# Altium PCB Face_PWR1V0.PcbDoc
Units mm, origin at the board's own origin, x right, y up, seen from the top; angles counter-clockwise.
Board outline 79 x 61 mm, 2 copper layers (Top Layer, Bottom Layer), stack 1.271 mm thick; 47 components, 23 nets, 137 pads, 87 vias.
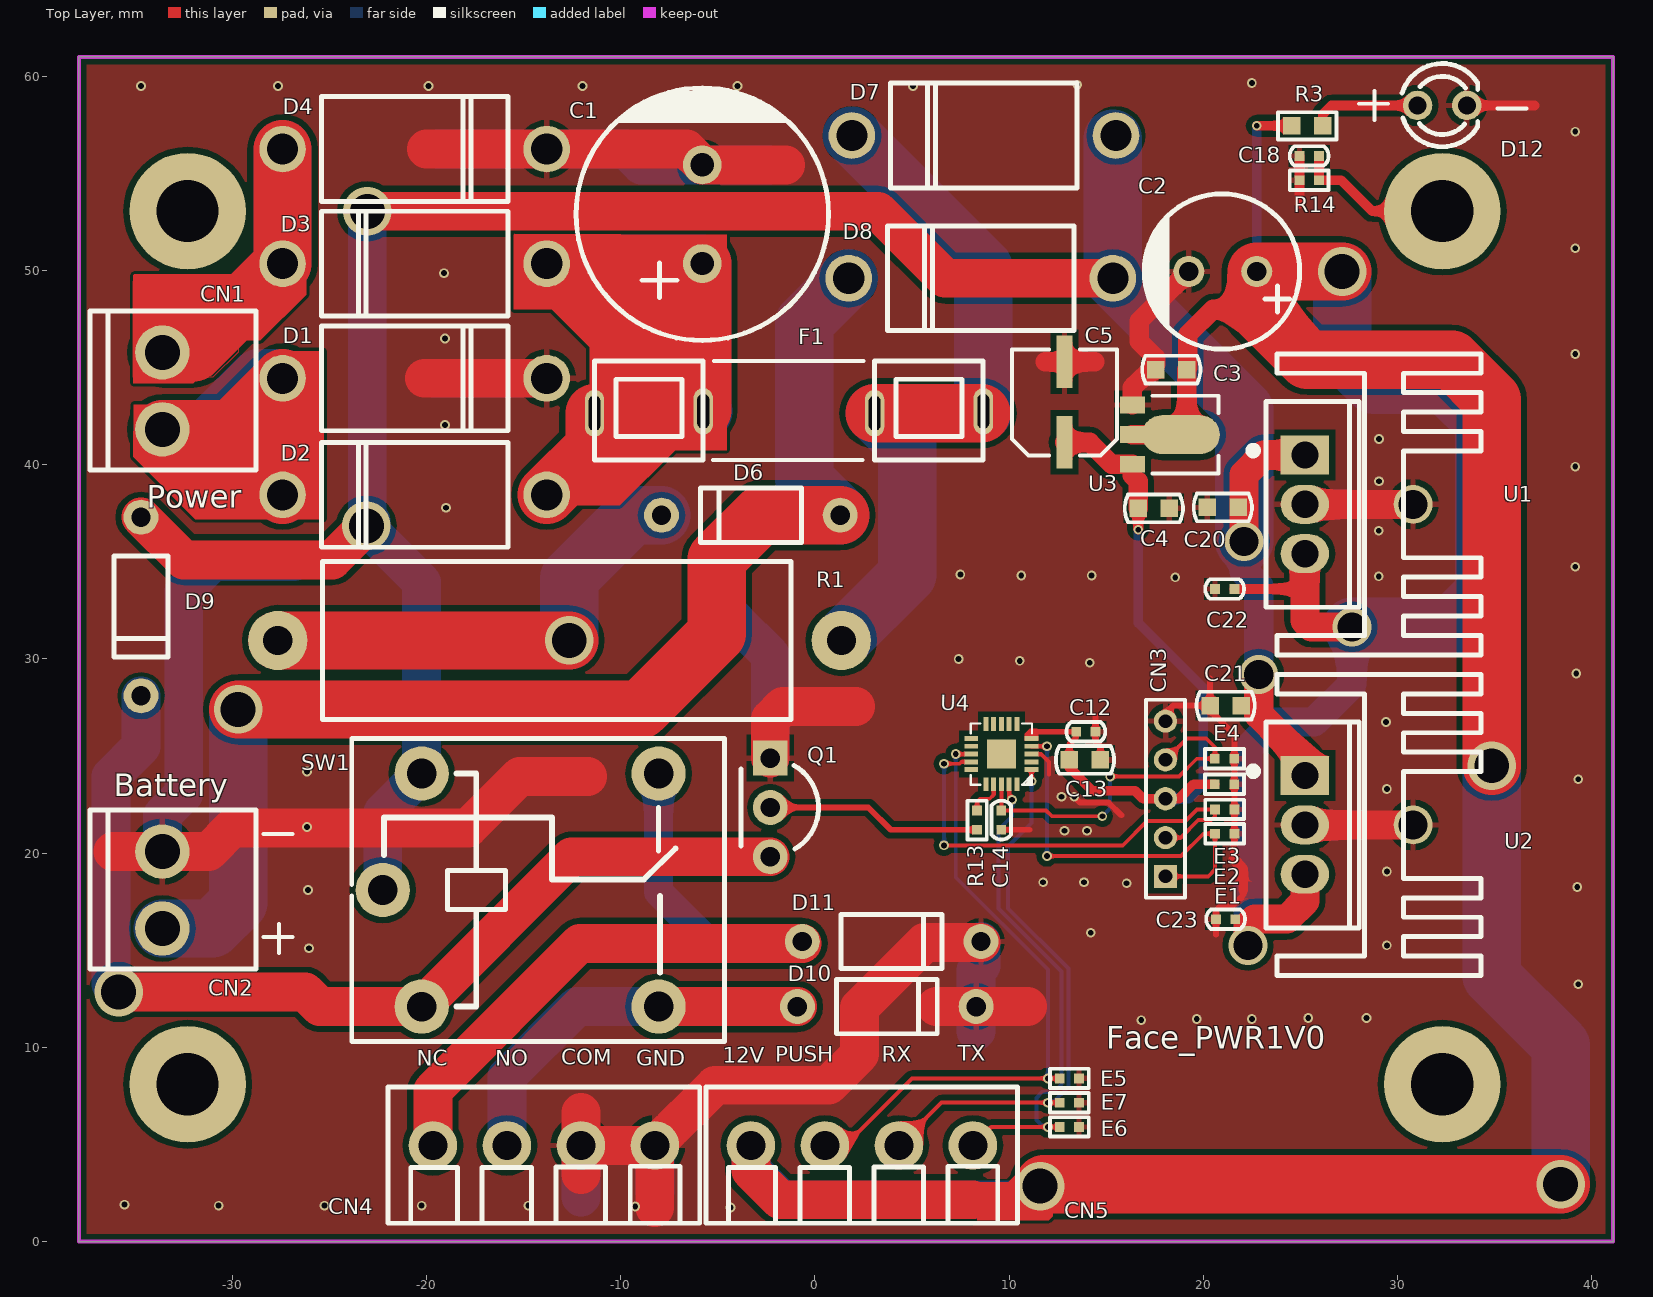
[diagram p0: Top Layer view]
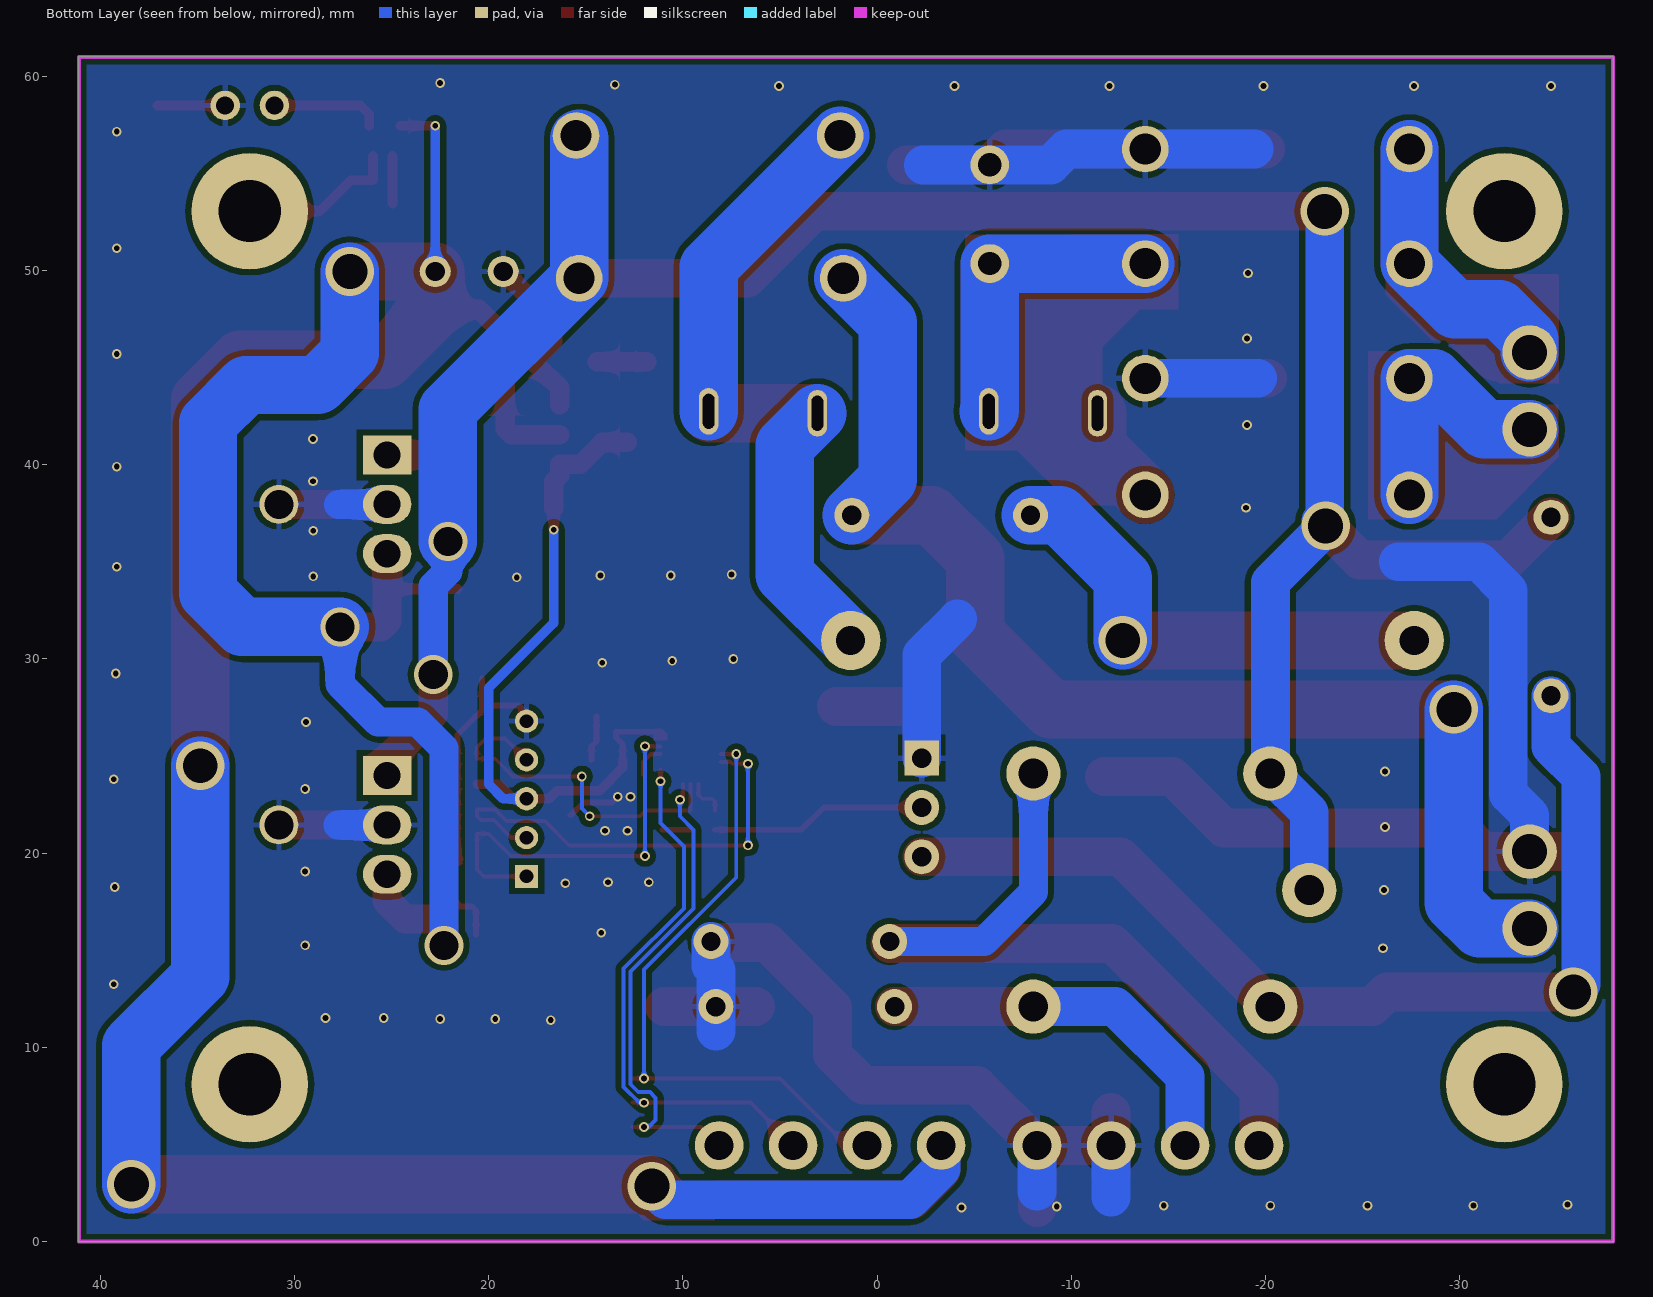
[diagram p1: Bottom Layer view, seen from below]

## Layer stack, top to bottom
Top Solder: solder mask 0.0102, Solder Resist, Dk 3.5
Top Layer: signal copper 0.0356
Dielectric 1: dielectric 1.2, FR-4, Dk 4.8
Bottom Layer: signal copper 0.0356
Bottom Solder: solder mask 0.0102, Solder Resist, Dk 3.5

## Board outline
-37.9,0 -37.9,61 41.1,61 41.1,0

## Design rules (kind name [scope] priority, off if disabled: settings)
Clearance [All] p1: gap=0.15 ignorepadtopadclearanceinfootprint=FALSE except(0.3: Arc-Poly Track-Poly SMDPad-Poly THPad-Poly Via-Poly Fill-Poly Poly-Poly)
HoleSize [All] p1: absolutevalues=TRUE maxlimit=6 minlimit=0.025 maxpercent=80.000 minpercent=20.000
HoleToHoleClearance [All] p1: gap=0.1 allowstackedmicrovias=TRUE
MinimumSolderMaskSliver [All] p1: minsoldermaskwidth=0
PolygonConnect [All] p1: thpad.connectstyle=Relief thpad.reliefconductorwidth=0.3 thpad.reliefentries=4 thpad.polygonreliefangle="90 Angle" thpad.airgapwidth=0.3 smdpad.connectstyle=Relief smdpad.reliefconductorwidth=0.3 smdpad.reliefentries=4 smdpad.polygonreliefangle="90 Angle" smdpad.airgapwidth=0.3 via.connectstyle=Direct via.reliefconductorwidth=0.254 via.reliefentries=4 via.polygonreliefangle="90 Angle" via.airgapwidth=0.254
RoomDefinition Face_PWR1V0 [InComponentClass('Face_PWR1V0')] p1: confinementstyle=ConfineIn formatcopy=TRUE lockcomponents=FALSE outline -43.2,-3.4 44.15,-3.4 44.15,65.3 -43.2,65.3
RoutingVias [All] p1: holewidth=0.3 width=0.5 viastyle="Through Hole" minholewidth=0.3 minwidth=0.5 maxholewidth=1 maxwidth=2
SilkToSilkClearance [All] p1: silktosilkclearance=0
SilkToSolderMaskClearance [IsPad] p1: minsilkscreentomaskgap=0 clearancetoexposedcopper=TRUE
SolderMaskExpansion [All] p1: expansion=0.05 istentingtop=FALSE
Width [All] p1: maxlimit=50 minlimit=0.2 preferedwidth=0.2
25 further rules are at their usual default settings.

## Components (designator, comment, footprint, x,y, rotation, side; value= is the part's Value field where it differs from the comment)
C1 "2200uF/25V" "CAP 13X21MM" -5.8,52.9 r90 top
C2 "470uF/25V" CAP-TH_BD8.0-P3.50-D1.0-FD 21,49.95 r180 top
C3 "100nF/50V" C0603 18.35,44.9 r180 top
C4 "4.7uF/16V" C0603 17.45,37.75 r0 top
C5 "100uF/10V" C_ALU_5.3MM 12.85,43.225 r270 top
C12 "100nF/16V" C0402 13.95,26.25 r0 top
C13 "4.7uF/16V" C0603 13.9,24.8 r180 top
C14 "100nF/16V" C0402 9.6,21.7 r270 top
C18 "100nF/16V" C0402 25.45,55.9 r0 top
C20 "100nF/50V" C0603 21,37.8 r180 top
C21 "100nF/50V" C0603 21.15,27.6 r180 top
C22 "100nF/16V" C0402 21.1,33.6 r0 top
C23 "100nF/16V" C0402 21.15,16.6 r0 top
CN1 "VH-2A" VH3.96-2A -33.6,43.8 r90 top locked
CN2 "VH-2A" VH3.96-2A -33.6,18.1 r90 top locked
CN3 "NC/NUVOTON Writer" HD5_2.0 18.05,18.8 r90 top
CN4 "DB125-3.81-4P-GN" DB125-3.81-4P-GN -13.955,4.95 r0 top locked
CN5 "DB125-3.81-4P-GN" DB125-3.81-4P-GN 2.415,4.95 r0 top locked
D1 "1N5408" DO-201AD -20.61,44.45 r180 top
D2 "1N5408" DO-201AD -20.61,38.45 r0 top
D3 "1N5408" DO-201AD -20.61,50.35 r0 top
D4 "1N5408" DO-201AD -20.61,56.25 r180 top
D6 "1N4007" DO-41 -3.3,37.4 r0 top
D7 "HER505" DO-201AD 8.7,56.95 r0 top
D8 "HER505" DO-201AD 8.54,49.6 r0 top
D9 "1N4007" DO-41 -34.7,32.7 r90 top
D10 "1N4007" DO-41 3.7,12.1 r180 top
D11 "1N4007" DO-41 3.95,15.45 r180 top
D12 "Green-LED" LED-TH_BD3.0-P2.54-FD 32.3,58.5 r0 top
E1 "SFI0402-050E330NP-LF" R0402 21.1,21 r180 top
E2 "SFI0402-050E330NP-LF" R0402 21.1,22.25 r180 top
E3 "SFI0402-050E330NP-LF" R0402 21.09,23.55 r180 top
E4 "SFI0402-050E330NP-LF" R0402 21.09,24.86 r180 top
E5 "SFI0402-050E330NP-LF" R0402 13.1,8.4 r0 top
E6 "SFI0402-050E330NP-LF" R0402 13.1,5.9 r180 top
E7 "SFI0402-050E330NP-LF" R0402 13.1,7.15 r0 top
F1 "250V/5A" "5X20 FUSE SOCKET" -11.349,42.65 r0 top
Q1 "2N5551" TO-92-3_L4.8-W3.7-P2.54L -2.3,22.35 r270 top
R1 "47R" AXIAL-1.3 -13.15,30.95 r0 top
R3 "1K" R0603 25.35,57.45 r180 top
R13 "1K" R0402 8.35,21.7 r270 top
R14 "10K" R0402 25.45,54.65 r180 top value=1K
SW1 "Relay" RELAY-TH_SRD-XXVDC-XL-C -15.15,18.1 r0 top
U1 "L7812CV" TO-220-3 28.015,37.96 r270 top locked
U2 "L7812CV" TO-220-3 28.015,21.45 r270 top locked
U3 "ME6210A33PG" SOT-89 17.6,41.55 r270 top
U4 "N76E003AQ20(QFN20)" QFN20_3*3mm 9.6,25.1 r180 top

## Footprints (in the part's own frame and the unit in brackets; to place one, negate y for a bottom-side part, rotate by r counter-clockwise, add the part's x,y. Pads: shape width x height; smd on the part's side, far side on the other; paste and mask are expansions set on the pad)
"5X20 FUSE SOCKET" [mm]
  oval 1x2.399 hole 0.6 slot 1.8 at 90 deg copper offset -0.001,0.001: 1(0,0) 2(14.423,0)
  oval 1x2.399 hole 0.6 slot 1.799 at 90 deg: 1(5.599,0.1) 2(20.022,0.1)
  silkscreen extent 0,-2.4 20,2.7, body extent -0.59,-3.06 20.69,3.13, height 9.59
AXIAL-1.3 [mil]
  round 120 hole 59.06: 1(-571.26,0) 2(571.26,0)
  silkscreen extent -481,-160 469,160, body extent -569,-118 563,118, height 355
C0402 [mm]
  rect 0.5x0.5 smd paste+0 mask+0.102: 1(-0.5,0) 2(0.5,0)
  silkscreen extent -1,-0.5 1,0.5, body extent -0.5,-0.3 0.5,0.3, height 0.2
C0603 [mm]
  rect 0.9x0.9 smd mask+0.05: 1(0.8,0) 2(-0.8,0)
  silkscreen extent -1.5,-0.71 1.5,0.71, body extent -0.8,-0.4 0.8,0.4, height 0.3
C_ALU_5.3MM [mm]
  rect 2.7x0.8 smd mask+0.05: 1(2.075,0) 2(-2.075,0)
  silkscreen extent -2.7,-2.7 2.75,2.7, body extent -2.92,-2.65 2.98,2.65, height 5.41
"CAP 13X21MM" [mm]
  round 2 hole 1.2: 1(-2.54,0) 2(2.54,0)
  silkscreen extent -6.5,-6.5 6.5,6.5, body extent -6.3,-6.2 6.2,6.3, height 20
CAP-TH_BD8.0-P3.50-D1.0-FD [mm]
  round 1.6 hole 1: 1(-1.75,0) 2(1.75,0)
  silkscreen extent -3.96,-4 4.04,4, body extent -4.05,-4.1 4.15,4.1, height 14.4
DB125-3.81-4P-GN [mm]
  round 2.5 hole 1.5: 1(-5.715,0) 2(-1.905,0) 3(1.905,0) 4(5.715,0)
  silkscreen extent -8.03,-4.01 8.03,3, body extent -7.62,-5.3 7.52,4.3, height 10.2
DO-41 [mm]
  round 1.8 hole 1: 1(-4.6,0) 2(4.6,0)
  silkscreen extent -2.6,-1.4 2.6,1.4, body extent -5.51,-1.35 5.51,1.37, height 3.72
DO-201AD [mm]
  round 2.4 hole 1.6: 1(-6.8,0) 2(6.8,0)
  silkscreen extent -4.8,-2.7 4.8,2.7, body extent -6.95,-2.52 6.95,2.5, height 6.51
HD5_2.0 [mm]
  rect 1.2x1.2 hole 0.7: 1(0,0)
  round 1.2 hole 0.7: 2(2,0) 3(4,0) 4(6,0) 5(8,0)
  silkscreen extent -1.1,-1 9.1,1
LED-TH_BD3.0-P2.54-FD [mil]
  round 60 hole 36: 1(-50,0) 2(50,0)
  silkscreen extent -81,-84 72,85, body extent -112,-112 108,112, height 354
QFN20_3*3mm [mm]
  rect 0.7x0.25 smd mask+0.05: 1(-1.55,0.8) 2(-1.55,0.4) 3(-1.55,0) 4(-1.55,-0.4) 5(-1.55,-0.8) 11(1.55,-0.8) 12(1.55,-0.4) 13(1.55,0) 14(1.55,0.4) 15(1.55,0.8)
  rect 0.25x0.7 smd mask+0.05: 6(-0.8,-1.55) 7(-0.4,-1.55) 8(0,-1.55) 9(0.4,-1.55) 10(0.8,-1.55) 16(0.8,1.55) 17(0.4,1.55) 18(0,1.55) 19(-0.4,1.55) 20(-0.8,1.55)
  rect 1.5x1.5 smd mask+0.05: 21(0,0)
  round 0.5 on Top Overlay: ""(-2.325,0.825)
  silkscreen extent -1.58,-1.58 1.58,1.58, body extent -1.51,-1.51 1.51,1.51, height 0.75
R0402 [mm]
  rect 0.5x0.5 smd: 1(0.5,0) 2(-0.5,0)
  silkscreen extent -1,-0.5 1,0.5, body extent -0.5,-0.25 0.5,0.25, height 0.35
R0603 [mm]
  rect 0.9x0.9 smd: 1(-0.8,0) 2(0.8,0)
  silkscreen extent -1.5,-0.7 1.5,0.7, body extent -0.85,-0.4 0.85,0.4, height 0.56
RELAY-TH_SRD-XXVDC-XL-C [mil]
  round 110 hole 60: 1(-200.79,-236.22) 2(279.52,-236.2) 3(279.53,236.2) 4(-200.79,236.22) 5(-279.53,0)
  silkscreen extent -342,-307 413,307, body extent -339,-305 409,305, height 602
SOT-89 [mm]
  rect 0.864x1.27 smd: 1(-1.524,-1.25) 2(0,-1.25) 3(1.524,-1.25)
  oval 2x4 smd: 2(0,1.25)
  silkscreen extent -2,-0.21 2,3.19, body extent -2.28,-1.53 2.32,2.72, height 1.79
TO-92-3_L4.8-W3.7-P2.54L [mm]
  rect 1.8x1.8 hole 1: 1(-2.54,0)
  round 1.8 hole 1: 2(0,0) 3(2.54,0)
  silkscreen extent -2.17,-1.5 2.14,2.48, body extent -2.43,-1.5 2.33,2.13, height 17.82
TO-220-3 [mm]
  rect 2.002x2.499 hole 1.4: 1(-2.54,-2.785)
  oval 2x2.5 hole 1.4: 2(0,-2.785) 3(2.54,-2.785)
  round 2 hole 1.5: 2(0,2.785)
  silkscreen extent -7.75,-5.65 7.75,6.28, body extent -7.7,-4.6 7.6,10.38, height 25
VH3.96-2A [mm]
  round 2.8 hole 1.8: 1(-1.98,0) 2(1.98,0)
  silkscreen extent -4.07,-4.83 4.12,3.73, body extent -3.91,-4.8 3.95,3.7, height 10.9

## Part data
C1: library part CAP_Polaric, "2200uF 25V 13*20"
C2: library part CAP_Polaric, "470uF/25V(RC025M471LO8*14TH-2A1E)"
C3 C20 C21: library part Cap, "0.1uF/50V 10%  0603 X5R ROHS", LatestRevisionDate=17-Jul-2002, LatestRevisionNote="Re-released for DXP Platform.", PackageDescription="Radial Cap, Thru-Hole; 2 Leads; 0.3 in Pin Spacing", PackageReference=RAD-0.3, Published=8-Jun-2000, Publisher="Altium Limited"
C4: library part Cap, "4.7uF/16V 10% 0603 X7R ROHS", LatestRevisionDate=17-Jul-2002, LatestRevisionNote="Re-released for DXP Platform.", PackageDescription="Radial Cap, Thru-Hole; 2 Leads; 0.3 in Pin Spacing", PackageReference=RAD-0.3, Published=8-Jun-2000, Publisher="Altium Limited"
C5: library part CAP_Polaric, "CS1A101M-CRD54, 100uF/10V"
C12 C14: library part CAP, "100nF/16V 10% 0402 X7R ROHS"
C13: library part CAP, "4.7uF/16V 10% 0603 X7R ROHS"
C18: library part CAP_0603A, "100nF/16V 10% 0402 X7R ROHS"
C22 C23: library part Cap, "100nF ±10% 16V X7R 0402 ROHS", LatestRevisionDate=17-Jul-2002, LatestRevisionNote="Re-released for DXP Platform.", PackageDescription="Radial Cap, Thru-Hole; 2 Leads; 0.3 in Pin Spacing", PackageReference=RAD-0.3, Published=8-Jun-2000, Publisher="Altium Limited"
CN1 CN2 CN4 CN5 U1 U2: library part Component_1
CN3: library part "Header 5", "SH1.25_5P_SMD_TOP"
D1 D2 D3 D4: library part "M2 (DO-214AC)", "1N5408(DO-201AD)"
D6 D9 D10 D11: library part "M2 (DO-214AC)", "1N4007(DO-41)"
D7 D8: library part "M2 (DO-214AC)", "HER505(DO-201AD)"
D12: library part LED1, "TJ-L3FYTGCWMCGLFLC6B-A5", LatestRevisionDate=08-Jul-2005, LatestRevisionNote="Mech Layer 1 removed.", PackageDescription="LED; 2 Leads", PackageReference=LED-1, Published=8-Jun-2000, Publisher="Altium Limited"
E1 E2 E3 E4 E5 E6 E7: library part VARISTOR
F1: library part "Fuse 2", "250V/5A(5F.5000220000R1)", LatestRevisionDate=17-Jul-2002, LatestRevisionNote="Re-released for DXP Platform.", PackageDescription="Thru-Hole; 2 Leads", PackageReference=PIN-W2/E2.8, Published=8-Jun-2000, Publisher="Altium Limited"
Q1: library part 2N3904, ComponentLink1Description="Manufacturer Link", ComponentLink1URL=http://www.fairchildsemi.com/, ComponentLink2Description=Datasheet, ComponentLink2URL=http://www.fairchildsemi.com/ds/2N%2F2N3904.pdf, DatasheetVersion=1997, LatestRevisionDate=15-Jan-2003, LatestRevisionNote="PCB Footprint 'BCY-W3/D4.7' replaced", PackageDescription="TO, Flat Index; 3 In-Line, Axial Leads; Body Dia. 4.5mm; Leads 0.51 x 0.48 mm (max)", PackageReference=TO-92A, PackageVersion=Sep-1998, Published=8-Jun-2000, Publisher="Altium Limited"
R1: library part Res2, "47R/6W 5%(EWWR0006J47R0T9)", LatestRevisionDate=17-Jul-2002, LatestRevisionNote="Re-released for DXP Platform.", PackageDescription="Axial Device, Thru-Hole; 2 Leads; 0.4 in Pin Spacing", PackageReference=AXIAL-0.4, Published=8-Jun-2000, Publisher="Altium Limited"
R3: library part Res2, "1K +/-5% 1/10W 0603 ROHS", LatestRevisionDate=17-Jul-2002, LatestRevisionNote="Re-released for DXP Platform.", PackageDescription="Axial Device, Thru-Hole; 2 Leads; 0.4 in Pin Spacing", PackageReference=AXIAL-0.4, Published=8-Jun-2000, Publisher="Altium Limited"
R13: library part Res2, "1K +/-5% 1/16W 0402 ROHS", LatestRevisionDate=17-Jul-2002, LatestRevisionNote="Re-released for DXP Platform.", PackageDescription="Axial Device, Thru-Hole; 2 Leads; 0.4 in Pin Spacing", PackageReference=AXIAL-0.4, Published=8-Jun-2000, Publisher="Altium Limited"
R14: library part "Res Semi", "10K +/-5% 1/16W 0402 ROHS", Published=8-Jun-2000, Publisher="Altium Limited", Revision="July-2002: Re-released for DXP Platform."
SW1: library part Component_1, "SRD-12VDC-SL-C"
U3: library part HT7333, "ME6210A33PG (SOT89-3)"
U4: library part N76E003AQ20, 名称=IC, 物料编号=EIC00048, 规格，型号="STM8S003F3 (TSSOP20)"

## Free pads (board coordinates)
  round 6 hole 3.2: 1(-32.3,8.1) 1(-32.3,53.06) 1(32.3,8.1) 1(32.3,53.06)

## Via types
v1: diameter 0.5, hole 0.3, Top Layer to Bottom Layer, tented both sides, 74 vias
v2: diameter 2.5, hole 1.8, Top Layer to Bottom Layer, tented both sides, 9 vias
v3: diameter 2, hole 1.5, Top Layer to Bottom Layer, tented both sides, 4 vias

## Nets (pads, with @x,y where several pads share a name; then routed paths per layer and width w, separated by ;. In a path a pad name is that pad's centre, name@x,y a point inside that pad or via, vN(x,y) a via of type N, cw(c..) or ccw(c..) an arc to the next point about the centre after c; other vN are vias at no path point)
+12V: C2.1 C3.2 C22.2 C23.2 CN5.1 R3.2 U1.3 U2.3 U3.2 | length 204.9
  Top Layer w0.5: C22.2 25.23,33.6 ; v1(22.75,57.45) R3.2
  Top Layer w1: U3.2@16.35,41.55 18.85,41.55 19.15,41.85 C3.2 ; C3.2@19.2,45 19.2,46.7 20.5,48 22.75,48
  Top Layer w1.5: v3(22.3,15.25) 22.3,16.25 22.65,16.6 24.3,16.6 25.23,17.53 U2.3 ; U1.3 25.23,33.6 25.23,31.98 25.56,31.65 v3(27.65,31.65)
  Top Layer w2: CN5.1 -3.3,3.65 -1.8,2.15 8.13,2.15
  Top Layer w3: v2@11.8,2.95 v2(38.4,2.95) ; v2(27.15,49.95) C2.1 22.75,48 25.35,45.4 32.8,45.4 34.85,43.35 v2(34.85,24.5)
  Bottom Layer w0.5: C2.1 v1(22.75,57.45)
  Bottom Layer w1.5: v3(22.3,15.25) 22.3,25.4 23.651,26.751 25.701,26.751 27.65,28.7 v3(27.65,31.65)
  Bottom Layer w2: CN5.1 -3.3,3.75 -1.7,2.15 10.9,2.15 v2(11.6,2.85)
  Bottom Layer w3: v2(27.15,49.95) 27.15,45.75 28.8,44.1 32.5,44.1 34.45,42.15 34.45,33.4 32.7,31.65 v3(27.65,31.65) ; v2(34.85,24.5) 34.85,13.65 38.4,10.1 v2(38.4,2.95)
BAT: CN2.1 D6.2 D8.1 | length 65.7
  Top Layer w3: v2(-29.7,27.4) -8.95,27.4 -5.05,31.3 -5.05,35.15 -2.8,37.4 D6.2
  Bottom Layer w3: CN2.1 -31.03,16.12 -29.7,17.45 v2(-29.7,27.4) ; D6.2 -0.55,39.25 -0.55,47.31 D8.1
"BODY GND": C18.2 pad.1@32.3,53.06 R14.2 | length 8.3
  Top Layer w0.5: C18.2 R14.2 27.1,54.65 28.69,53.06 pad.1@32.3,53.06
GND: C1.2 C2.2 C3.1 C4.1 C5.2 C12.2 C13.2 C14.2 C18.1 C20.1 C21.1 C22.1 C23.1 CN2.2 CN3.5 CN4.3 CN4.4 D1.1 D4.1 D10.1 D11.1 D12.2 E1.2 E2.2 E3.2 E4.2 E5.1 E6.2 E7.1 Q1.1 R14.1 U1.2 U2.2 U3.1 U4.3 | length 215.7
  Top Layer w0.2: U4.3 11.643,25.1 11.743,25 11.75,25 12.05,24.7 12.05,24.05
  Top Layer w0.3: C14.2 11.05,21.2 ; v1(13.35,22.9) 13.642,22.608 15.119,22.608 15.779,21.947 ; 14.45,27.05 C12.2 14.45,25.75 14.7,25.5 C13.2 ; CN3.5 18.05,27.2 18.45,27.6 C21.1 ; 20.35,29 C21.1 ; 20.65,15.8 C23.1 20.65,17.05 20.85,17.25 21.46,17.25 22.05,17.84 22.05,18.1 ; 21.55,19.7 21.55,20.4 21.6,20.45 E1.2 E2.2 21.6,26.09 20.35,27.34 C21.1
  Top Layer w0.5: 21.55,19.7 22.05,19.2 22.05,18.1 ; 24.95,53.45 R14.1 C18.1 ; D12.2 37.05,58.5
  Top Layer w1: 11.85,45.3 C5.2 14.4,45.3 ; U3.1 16.35,43.974 17.55,45.174 17.55,45.5 16.7,46.35 16.7,47.4 C2.2
  Top Layer w1.5: U2.2@25.23,21.45 U2.2@30.8,21.45 ; U1.2@25.23,37.96 U1.2@30.8,37.96
  Top Layer w2: -36.15,20.08 CN2.2 -31.22,20.08 -30,21.3 -17.85,21.3 -15.2,23.95 -11.7,23.95 ; -20.1,44.45 D1.1 ; -20,56.25 D4.1 -6.61,56.25 C1.2 -1.51,55.44 ; -12.05,3.45 CN4.3 ; -12.05,6.65 CN4.3 ; -8.25,1.75 CN4.4@-8.25,4.95 ; Q1.1 -2.3,26.9 -1.65,27.55 2.1,27.55 ; 6.25,12.1 10.95,12.1 ; D11.1@8.55,15.4 5.65,15.4 2.3,12.05 2.3,9.65 0.7,8.05 -5.14,8.05 CN4.4 CN4.3
  Bottom Layer w1.5: U2.2@25.23,21.45 27.75,21.45 ; U1.2@25.23,37.96 27.74,37.96
  Bottom Layer w2: CN2.2 -33.6,21.95 -32.5,23.05 -32.5,33.5 -31,35 -26.85,35 ; -19.6,44.45 D1.1 ; -19.4,56.25 D4.1 -9.75,56.25 -8.94,55.44 C1.2 -2.39,55.44 ; -12.05,2.3 CN4.3 ; -8.24,2.59 CN4.4 ; -4.15,32.05 -2.3,30.2 Q1.1 ; 8.3,10.85 D10.1 8.3,13.95 8.55,14.2 D11.1
  other v1: -4.35,1.75 -9.25,1.8 -30.705,1.85 -25.25,1.85 -20.25,1.85 -14.759,1.85 -35.546,1.9 16.8,11.4 19.66,11.455 22.5,11.455 25.4,11.506 28.4,11.506 39.3,13.25 -26.05,15.1 29.45,15.25 14.2,15.9 -26.1,18.1 39.25,18.254 16.05,18.45 11.75,18.503 13.85,18.503 29.45,19.05 12.85,21.15 14.009,21.15 -26.156,21.35 12.7,22.9 29.45,23.3 39.3,23.8 -26.15,24.2 29.4,26.75 39.2,29.25 14.15,29.8 10.55,29.9 7.4,30 18.55,34.2 29.031,34.25 10.626,34.3 14.247,34.3 7.49,34.35 39.15,34.75 29.031,36.6 -19,37.785 29.05,39.15 39.15,39.9 29.05,41.327 -19.044,42.05 39.15,45.7 -19.05,46.5 -19.1,49.865 39.15,51.15 39.15,57.15 -34.7,59.5 -27.65,59.5 -19.9,59.5 -11.964,59.5 -3.991,59.5 5.05,59.5 13.5,59.571 22.5,59.65
ICE_CLK: CN3.2 E2.1 U4.14 | length 23.8
  Top Layer w0.2: v1(6.65,20.4) 15.85,20.4 17.109,21.659 19.073,21.659 19.665,22.25 E2.1 20.6,21.9 20.4,21.7 19.74,21.7 18.84,20.8 CN3.2 ; v1(6.65,24.6) 7.457,24.6 7.557,24.7 U4.14
  Bottom Layer w0.2: v1(6.65,20.4) 6.55,20.5 6.65,20.6 v1(6.65,24.6)
ICE_DAT: CN3.1 E1.1 U4.4 | length 20.1
  Top Layer w0.2: U4.4 v1(11.95,25.5) ; v1(11.95,19.85) 18.85,19.85 20,21 E1.1 20.6,19.15 20.25,18.8 CN3.1
  Bottom Layer w0.2: v1(11.95,19.85) v1(11.95,25.5)
NC: CN4.1 D11.2 SW1.3 | length 39.5
  Top Layer w2: CN4.1 -19.67,7.78 -12.1,15.35 D11.2@-0.65,15.35
  Bottom Layer w1.5: SW1.3 -8.05,18 -5.5,15.45 D11.2
NetC1_1: C1.1 D2.2 D3.2 F1.1 | length 42
  Top Layer w3: D2.2 -11.349,40.911 -11.349,42.65 -5.95,42.65 -5.8,42.8 C1.1 -5.81,50.35 D3.2
  Bottom Layer w3: D3.2 -5.81,50.35 C1.1 -5.8,42.8 F1.1@-5.75,42.75
NetCN1_1: CN1.1 D1.2 D2.1 | length 26.6
  Top Layer w3: CN1.1 -30.04,41.82 D1.2 D2.1
  Bottom Layer w3: CN1.1 -31.28,41.82 -28.65,44.45 D1.2 D2.1
NetCN1_2: CN1.2 D3.1 D4.2 | length 28.4
  Top Layer w3: CN1.2 -31.98,45.78 D3.1 D4.2
  Bottom Layer w3: CN1.2 -33.6,46.45 -32.05,48 -29.76,48 D3.1 D4.2
NetD6_1: D6.1 R1.1 | length 24.3
  Top Layer w3: R1.1 v2(-12.65,30.95)
  Bottom Layer w3: v2(-12.65,30.95) -12.65,34.15 -9.4,37.4 D6.1
NetD7_1: D7.1 F1.2 R1.2 | length 36.3
  Top Layer w3: F1.2@3.074,42.65 F1.2@8.573,42.65
  Bottom Layer w3: R1.2 4.75,34.34 4.75,40.974 F1.2@3.074,42.65 ; D7.1 8.673,50.177 F1.2@8.673,42.75
NetD9_1: D9.1 Q1.3 SW1.1 | length 53.1
  Top Layer w2: v2(-35.85,12.85) -26.25,12.85 -25.5,12.1 SW1.1 -12.54,19.81 Q1.3
  Bottom Layer w2: v2(-35.85,12.85) -36.25,13.25 -36.25,23.94 -34.7,25.49 D9.1
NetD12_1: D12.1 R3.1 | length 5.7
  Top Layer w0.5: R3.1 26.15,58.05 26.6,58.5 D12.1
NetQ1_2: Q1.2 R13.1 | length 11.1
  Top Layer w0.3: Q1.2 -0.1,22.35 2.75,22.35 3.9,21.2 R13.1
NO: CN4.2 D10.2 SW1.2 | length 20
  Top Layer w2: SW1.2 D10.2
  Bottom Layer w2: CN4.2 -15.86,8.49 -12.249,12.101 SW1.2
NRST: C14.1 CN3.4 E4.1 U4.18 | length 18.4
  Top Layer w0.2: U4.18 C14.1 11.9,22.2 12.2,21.9 v1(14.8,21.9) ; v1(15.2,23.95) 18.75,23.95 19.66,24.86 E4.1 20.6,24.87 20.6,25.45 20.15,25.9 19.15,25.9 CN3.4
  Bottom Layer w0.2: v1(14.8,21.9) 15.2,22.3 v1(15.2,23.95)
PUSH: CN5.2 E5.2 U4.13 | length 33
  Top Layer w0.2: CN5.2 1.55,4.95 5,8.4 E5.2 ; v1(7.25,25.1) U4.13
  Bottom Layer w0.2: v1(7.25,25.1) 7.25,18.75 12,14 v1(12,8.4)
"Relay ON": R13.2 U4.17 | length 2
  Top Layer w0.2: R13.2 8.35,22.65 8.5,22.8 9,22.8 9.2,23 U4.17
RX: CN5.3 E7.2 U4.1 | length 28.7
  Top Layer w0.2: CN5.3 6.52,7.15 E7.2 ; v1(11.15,23.7) U4.1
  Bottom Layer w0.2: v1(11.15,23.7) 11.15,21.55 9.945,20.345 9.945,17.155 13.05,14.05 13.05,7.955 12.245,7.15 v1(12,7.15)
TX: CN5.4 E6.1 U4.19 | length 25.5
  Top Layer w0.2: CN5.4 9.08,5.9 E6.1 ; U4.19 10,22.9 v1(10.15,22.75)
  Bottom Layer w0.2: v1(10.15,22.75) 10.15,21.9 9.45,21.2 9.45,17.15 12.7,13.9 12.7,8.1 12.3,7.7 11.7,7.7 11.4,7.4 11.4,6.25 11.75,5.9 v1(12,5.9)
VCC_3V3: C4.2 C5.1 C12.1 C13.1 CN3.3 E3.1 U3.3 U4.5 | length 36.9
  Top Layer w0.3: 11.174,26.25 C12.1 13.45,25.95 13.1,25.6 C13.1
  Top Layer w0.5: C13.1 13.1,24.4 14.294,23.206 16.494,23.206 16.9,22.8 CN3.3 18.75,22.8 19.5,23.55 E3.1 ; v1(16.65,36.65) C4.2
  Top Layer w1: C5.1 14.15,41.15 15.274,40.026 U3.3 16.35,39.45 16.65,39.15 C4.2
  Bottom Layer w0.5: v1(16.65,36.65) 16.65,31.85 20,28.5 20,23.55 19.25,22.8 CN3.3
VIN: C20.2 C21.2 D7.2 D8.2 D9.2 SW1.4 SW1.5 U1.1 U2.1 | length 134.1
  Top Layer w1.5: v3(22.1,36.05) 22.1,39.5 23.1,40.5 U1.1 ; v3(22.85,29.2) 22.85,27.15 25.23,24.77 U2.1
  Top Layer w2: D9.2 -32.5,35.1 -24.85,35.1 v2(-23.1,36.85) ; v2(-23.05,53.05) 3.25,53.05 6.7,49.6 D8.2
  Bottom Layer w1.5: v3(22.1,36.05) 22.1,34.5 22.85,33.75 v3(22.85,29.2)
  Bottom Layer w2: v2(-23.05,53.05) -23.05,37.3 -22.85,37.1 v2(-23.1,36.85) -23.1,36.8 -20.25,33.95 SW1.4 -22.25,22.1 SW1.5
  Bottom Layer w3: D7.2@15.34,56.79 D8.2 22.1,42.84 v3(22.1,36.05)
pads on no net: U4. U4.2 U4.6 U4.7 U4.8 U4.9 U4.10 U4.11 U4.12 U4.15 U4.16 U4.20 U4.21

## Polygon pours and split planes (outlines as drawn)
GND on Top Layer "Top Layer-GND" (solid, remove dead copper, pour order 10): -37.8,61.2 -37.7,61.1 -37.7,-0.1 41,-0.1 41.1,0 41.1,61.2
no net on Top Layer "Top Layer-No Net 2" (solid, pour order 14): -35.1,49.45 -29.7,49.45 -29.7,45.8 -31,44.5 -35.1,44.5
GND on Bottom Layer "Bottom Layer-GND" (solid, remove dead copper, pour order 12): -37.7,61.1 -37.7,0.1 -37.55,-0.05 41.05,-0.05 41.05,60.9 41.1,60.95

## Keep-outs
Keep-Out Layer:
  lines w0.2: -37.9,61 41.1,61 ; -37.9,61 -37.9,61 ; -37.9,61 -37.9,0 41.1,0 ; 41.1,0 41.1,0 ; 41.1,0 41.1,61 ; 41.1,61 41.1,61

## Other copper
Top Layer:
  region net VCC_3V3: 10.8,25.816 10.8,26.15 11.051,26.401 11.449,26.401 11.5,26.35 11.5,25.8
  region net +12V: 8.35,3.05 9.95,3.05 10.8,3.9 12.25,3.9 12.25,1.3 12.05,1.1 8.35,1.1
  region net NetC1_1: -15.45,51.9 -15.5,51.85 -15.5,48 -13.55,48 -11.6,46.05 -11.6,40.85 -14.55,37.9 -10.05,37.9 -7.2,40.75 -4.55,40.75 -4.55,51.85
  region net NetCN1_1: -35.075,43.1 -30.65,43.1 -27.9,45.85 -25.3,45.85 -25.3,37.2 -31.9,37.2 -35.1,40.4
  region net NetCN1_2: -35.1,49.75 -35.05,49.8 -30.05,49.8 -28.95,50.9 -26.2,50.9 -26.2,48.75 -28.55,46.4 -29.8,46.4 -32,44.2 -35.1,44.2

## Silkscreen, mask and mechanical layers (free items; w line width, h text height)
Top Overlay:
  lines w0.2: -28.4,15.689 -26.9,15.689 ; -28.4,20.989 -26.9,20.989 ; -27.589,14.85 -27.589,16.35 ; 28,58.589 29.5,58.589 ; 28.811,57.75 28.811,59.25 ; 35.15,58.35 36.65,58.35
  text "Power" at -34.4,37.4 h2
  text "Battery" at -36.1,22.55 h2
  text "Face_PWR1V0" at 15,9.55 h2
  text "TX" at 7.35,9.3 h0.8
  text "PUSH" at -2.05,9.25 h0.8
  text "RX" at 3.45,9.25 h0.8
  text "12V" at -4.75,9.2 h0.8
  text "COM" at -13.05,9.1 h0.8
  text "NC" at -20.5,9.05 h0.8
  text "NO" at -16.45,9.05 h0.8
  text "GND" at -9.2,9.05 h0.8
Mechanical 1:
  the board outline again, w0.2